# Altium PCB linux_board_PCB.PcbDoc (part 2 of 3) (continued)
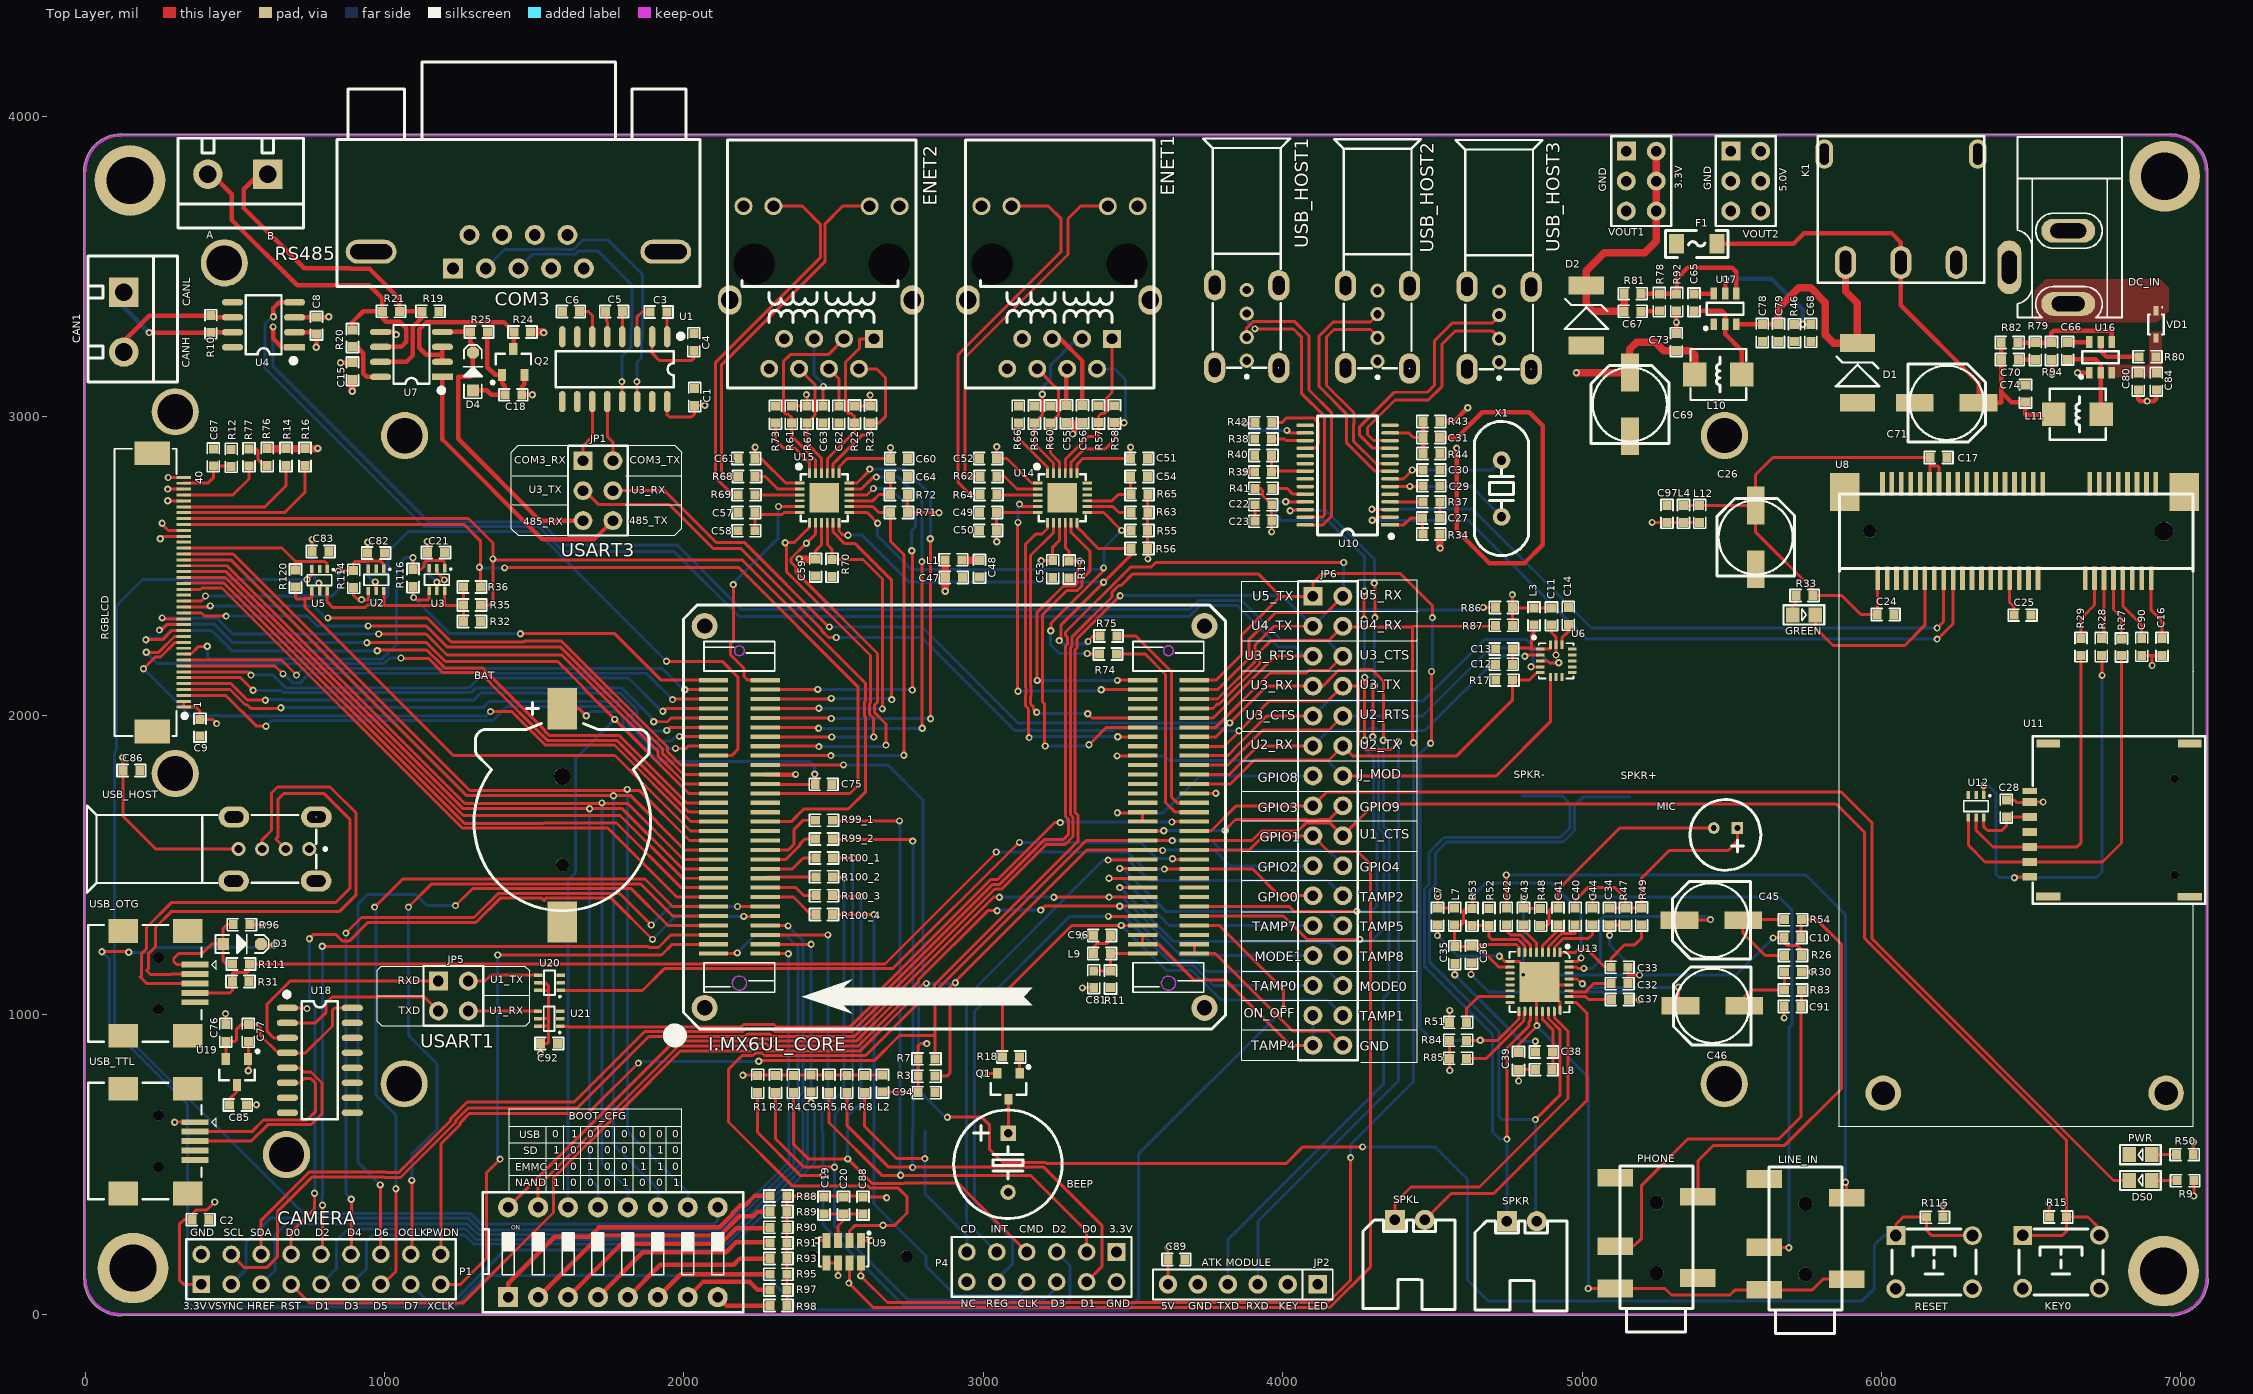
[diagram p0: Top Layer view]
## Nets (pads, with @x,y where several pads share a name; then routed paths per layer and width w, separated by ;. In a path a pad name is that pad's centre, name@x,y a point inside that pad or via, vN(x,y) a via of type N, cw(c..) or ccw(c..) an arc to the next point about the centre after c; other vN are vias at no path point) (continued)
ENET2_TXD0: I.MX6UL_CORE.J1_36 U15.17 | length 1579.2
  Top Layer w10: I.MX6UL_CORE.J1_36@2272.11,1960.21 2446.79,1960.21 v1(2450,1957) ; U15.17@2551.72,2756.53 2592.71,2756.53 2632.18,2796 v1(2643,2796) ; v1(2795,2514) 2795,1958 v1(2796,1957)
  Bottom Layer w10: v1(2450,1957) v1(2796,1957) ; v1(2643,2796) 2718,2796 2795,2719 v1(2795,2514)
ENET2_TXD1: I.MX6UL_CORE.J1_35 U15.18 | length 1633.6
  Top Layer w10: I.MX6UL_CORE.J1_35@2272.11,1991.71 2490.29,1991.71 v1(2492,1990) ; U15.18@2551.72,2776.21 2578.21,2776.21 2621,2819 v1(2621,2823) ; v1(2823,2590) 2823,1990 v1(2824,1989)
  Bottom Layer w10: v1(2492,1990) 2823,1990 v1(2824,1989) ; v1(2621,2823) 2738,2823 2823,2738 v1@2823,2587
ENET2_TXEN: I.MX6UL_CORE.J1_32 U15.16 | length 1353.1
  Top Layer w10: I.MX6UL_CORE.J1_32@2272.11,2086.2 2446.2,2086.2 v1(2447,2087) ; U15.16@2551.72,2736.84 2611.84,2736.84 v1(2633,2758) ; v1(2761,2550) 2763,2548 v1(2763,2085)
  Bottom Layer w10: v1(2447,2087) 2761,2087 v1(2763,2085) ; v1(2633,2758) 2690,2758 2774,2674 2774,2630.82 2761,2617.82 v1(2761,2550)
ENET2_TXN: ENET2.2 R23.2 U15.20 | length 519.2
  Top Layer w10: U15.20@2498.53,2809.72 2498.53,2840.53 2594,2936 2611,2936 2623.06,2948.06 R23.2@2623.06,2977.5 2652.5,2977.5 2674,2999 2674,3127 2643,3158 ENET2.2@2584.82,3158
ENET2_TXP: ENET2.1 R22.2 U15.21 | length 570.4
  Top Layer w10: U15.21@2478.84,2809.72 2478.84,2856.84 2570.25,2948.25 R22.2@2570.25,2977.5 2570.25,2997.75 2560,3008 2550.7,3008 2543.31,3015.38 2543.31,3053.12 2539.82,3056.61 2539.82,3179.82 2586,3226 2586,3255 2589,3258 ENET2.1@2634.82,3258
ENET_MDC: R55.1 R74.2 U14.13 U15.13 | length 1786.8
  Top Layer w10: U15.13@2551.72,2677.79 2612.21,2677.79 2647,2643 v1(2647,2642) ; v1(3225.38,2283) 3225.38,2307.38 3318.75,2400.75 3319.81,2400.75 3345,2425.94 3345,2427 3402,2484 v1(3402,2493) ; U14.13@3346.72,2677.79 3402.21,2677.79 v1(3461.97,2618.03) R55.1@3492.75,2618.03 ; v1(3347,2207) 3349,2205 R74.2@3388.75,2205
  Bottom Layer w10: v1(2647,2642) 2647,2600 2760,2487 3396,2487 3403,2494 3403,2559.05 v1(3461.97,2618.03) ; v1(3225.38,2283) 3224,2283 3224,2237 3254,2207 v1(3347,2207)
ENET_MDIO: R56.1 R75.2 U14.12 U15.12 | length 1767.6
  Top Layer w10: U15.12@2518.21,2644.28 2518.21,2615.79 2532,2602 v1(2548,2602) ; v1(3254,2250) 3259,2255 3259,2301 3492.75,2534.75 R56.1@3492.75,2558 3384,2558 3339,2603 ; U14.12@3313.21,2644.28 3313.21,2628.79 3322,2620 3323.18,2620 3339,2604.18 ; v1(3350,2247) 3350,2249 3366,2265 R75.2@3390.5,2265
  Bottom Layer w10: v1(2548,2602) 2596,2602 2753,2445 v1(3402,2445) ; v1(3254,2250) 3266,2238 3341,2238 v1(3350,2247)
GND: BAT.2 BEEP.2 C1.2 C2.2 C4.1 C6.1 C8.2 C9.2 C11.2 C12.1 C13.2 C14.2 C15.2 C16.1 C17.1 C18.1 C19.1 C20.1 C21.1 C24.1 C25.1 C26.2 C28.2 C29.2 C30.2 C31.2 C47.1 C48.1 C49.1 C50.1 C51.1 C52.1 C53.1 C54.1 C55.1 C56.1 C57.1 C58.1 C59.1 C60.1 C61.1 C62.1 C63.1 C64.1 C68.1 C69.2 C71.2 C73.1 C74.1 C75.2 C76.1 C77.1 C78.1 C79.1 C80.1 C82.1 C83.1 C84.1 C85.1 C86.2 C87.1 C88.2 C89.2 C90.2 C91.1 C92.1 C94.1 C95.1 C97.1 COM3.5 COM3.10 COM3.11 D1.1 D2.1 DC_IN.2 DC_IN.3 ENET1.8 ENET1.13 ENET1.14 ENET2.8 ENET2.13 ENET2.14 I.MX6UL_CORE.J2_59 I.MX6UL_CORE.J2_60 JP2.5 JP6.32 KEY0.2 P1.2 P4.2 PHONE.3 PWR.2 Q2.2 R13.1 R17.1 R19.2 R30.2 R31.1 R32.2 R40.1 R44.1 R66.1 R70.1 R73.1 R92.1 R94.1 RESET.2 RGBLCD.11 RGBLCD.20 RGBLCD.29 TF_CARD.6 U1.15 U2.2 U3.2 U4.2 U4.8 U5.2 U6.8 U6.9 U6.10 U6.11 U6.12 U6.13 U6.15 U7.5 U8.4 U8.9 U8.15 U8.18 U8.21 U8.26 U8.27 U8.29 U8.34 U8.35 U8.37 U8.40 U8.43 U8.50 U9.3 U11.C5 U12.2 U14.25 U15.25 U16.1 U17.1 U18.1 U19.1 U20.2 U21.2 USB_HOST1.4 USB_HOST1.5 USB_HOST2.4 USB_HOST2.5 USB_HOST3.4 USB_HOST3.5 USB_HOST.4 USB_HOST.5 USB_OTG.5 USB_TTL.5 VOUT1.1 VOUT1.3 VOUT1.5 VOUT2.1 VOUT2.3 VOUT2.5 | length 3743.6
  Top Layer w10: v1(469,1004) 470,1003 C76.1@470,968.25 ; C85.1@538.25,699 571,699 v1(572,700) ; v1(545,813) 546.71,814.71 546.71,850 U19.1@544.4,852.31 545,852.91 C77.1@545,911.75 ; U18.1@675.73,1023 739,1023 v1(741,1021) ; U3.2@1175,2491.4 1175,2478 v1(1200,2453) ; v1(2425,708) C95.1@2425.02,742.5 ; C19.1@2468,335 C20.1@2532.94,335 ; U9.3@2514.81,246.06 2514.81,294.81 2532.94,312.94 C20.1@2532.94,335 ; C88.2@2598,334.5 2597.5,335 C20.1@2532.94,335 ; I.MX6UL_CORE.J2_59@3705.18,1235.8 I.MX6UL_CORE.J2_60@3705.18,1204.31 3775.69,1204.31 4034,946 4153,946 JP6.32@4201,898 ; C11.2@4898,2302.75 4898,2277 4913.68,2261.31 U6.15@4913.68,2236 4913.68,2202.69 v1(4913,2202) ; v1@5674,996 5675,997 C91.1@5675,1028 ; R30.2@5732.25,1143 v1(5768,1143) ; C28.2@6417,1717.5 6443.5,1717.5 6452,1709 6494.2,1709 U11.C5@6495.94,1710.75 6539.75,1710.75 v1(6540,1711) ; C90.2@6869.47,2200.75 6904,2200.75 ; v1(6904,2167) 6904,2200.75 ; C16.1@6937,2200.75 6904,2200.75
  Top Layer w15: U4.2@699.35,3280 766.75,3280 C8.2@773,3273.75 773,3245 772,3244 v1(772,3230) ; v1(853,3178) 853.25,3178.25 C15.2@893,3178.25 ; U7.5@986.76,3280.87 1030.13,3280.87 v1(1039,3272) ; Q2.2@1467.51,3137.56 1467.51,3105.51 1458.36,3096.36 C18.1@1458.36,3070.87 1493.87,3070.87 v1(1494,3071) ; C55.1@3277.94,2978.25 3308,2978.25 ; v1(3299,2940) 3308,2949 3308,2978.25 ; C56.1@3331.25,2978.25 3308,2978.25 ; C31.2@4524.5,2928.41 4582.41,2928.41 4667,3013 4824,3013 4869,2968 4869,2570 4808,2509 4690,2509 4581,2618 v1(4581,2893) ; C73.1@5315,3275.25 v1(5315,3313) 5315,3350.75 R92.1@5316,3351.75 ; R94.1@6568,3188.75 6570,3186.75 v1(6570,3140) ; v1@6655.18,3144.82 U16.1@6694.6,3144.82 ; C80.1@6858,3086.75 6858,3057 6865,3050 v1(6887.5,3050) 6910,3050 6918,3058 C84.1@6918,3086.75
  other v1: 5675,990 6655,3145
GPIO0: I.MX6UL_CORE.J2_51 JP6.21 R31.2 R111.1 USB_OTG.4 | length 4025.6
  Top Layer w10: USB_OTG.4@367.36,1073.5 483.5,1073.5 491.5,1081.5 R31.2@491.5,1111 491.5,1137.5 496,1142 542,1142 549.25,1149.25 R111.1@549.25,1170 2672,1170 v1@3037.5,1535.5 ; v1(3605,1487) 3607,1487 3607.77,1487.77 I.MX6UL_CORE.J2_51@3705.18,1487.77 3899.23,1487.77 3989,1398 JP6.21@4101,1398
  Bottom Layer w10: v1(3043,1544) 3480.63,1544 3537.63,1487 v1(3605,1487)
GPIO3: DS0.2 I.MX6UL_CORE.J2_47 JP6.15 | length 3940.7
  Top Layer w10: I.MX6UL_CORE.J2_47@3705.18,1613.76 3760.76,1613.76 3845,1698 JP6.15@4101,1698 4147.5,1744.5 5865.5,1744.5 5969,1641 5969,1253 6775,447 DS0.2@6826.99,447
GPIO5: I.MX6UL_CORE.J1_47
GPIO6: I.MX6UL_CORE.J2_44 R75.1 | length 734.2
  Top Layer w10: R75.1@3447,2265 3510,2265 3629,2146 3629,1727 3647.76,1708.24 I.MX6UL_CORE.J2_44@3705.18,1708.24
GPIO7: I.MX6UL_CORE.J2_45 R74.1 | length 729.5
  Top Layer w10: R74.1@3445.25,2205 3541,2205 3609,2137 3609,1709 3641.25,1676.75 I.MX6UL_CORE.J2_45@3705.18,1676.75
HP_JD: PHONE.6 R52.1 R53.1 U13.7 | length 249.1
  Top Layer w10: R53.1@4632,1298.75 R52.1@4689.5,1298.75 4689.5,1260.5 4699,1251 4787.63,1251 4808.77,1229.85 U13.7@4808.77,1208.43
HUB_3V3: C22.2 C23.2 C27.2 R34.2 R41.2 R42.2 U10.1 U10.5 U10.10 U10.16 | length 603.4
  Top Layer w10: v1(3873,2976) 3905.75,2976 R42.2@3907.75,2978 ; R41.2@3907.75,2758.58 3926.17,2758.58 3933,2751.75 3933,2734.35 C22.2@3963.5,2703.85 C23.2@3963.5,2649 3963.5,2613.5 v1(3963,2613) ; v1(4014,2952) 4022.25,2943.75 U10.16@4075.27,2943.75 ; U10.1@4358.73,2636.66 4404.66,2636.66 4427.71,2659.71 C27.2@4467.5,2659.71 4467.5,2607.25 R34.2@4468.75,2606
  Bottom Layer w10: v1(3873,2976) 3897,2952 v1(4014,2952)
HUB_DM1: U10.27 USB_HOST1.2 | length 923.5
  Top Layer w10: v1(3907.07,3291.07) 3907.14,3291 4036.41,3291 4062.41,3265 4062.41,3076.59 4139.8,2999.2 4139.8,2669.8 4132.25,2662.25 U10.27@4075.27,2662.25
  Bottom Layer w10: USB_HOST1.2@3880,3342.26 3880,3318.14 v1(3907.07,3291.07)
HUB_DM2: U8.36 U10.2 | length 2341.3
  Top Layer w10: v1(4299,2652) 4303,2652 4313.25,2662.25 U10.2@4358.73,2662.25 ; v1(6186,2255) 6187.18,2255 6239.51,2307.33 U8.36@6239.51,2458
  Bottom Layer w10: v1(4299,2652) 4619,2652 5016,2255 v1(6186,2255)
HUB_DM3: U10.8 USB_HOST2.2 | length 806.1
  Top Layer w10: USB_HOST2.2@4317,3340.26 4317,3338.59 4293,3314.59 4168.9,3314.59 4121,3266.69 4121,3099.41 4212.41,3008 4212.41,2912.08 4308.69,2815.8 U10.8@4358.73,2815.8
HUB_DM4: U10.11 USB_HOST3.2 | length 857.3
  Top Layer w10: U10.11@4358.73,2892.57 4300.46,2892.57 4257.41,2935.62 4257.41,2964.69 4372.31,3079.59 4484,3079.59 4507,3102.59 4507,3251.19 4566.4,3310.59 4700,3310.59 4723,3333.59 USB_HOST3.2@4723,3337.26
HUB_DP1: U10.28 USB_HOST1.3 | length 1001.2
  Top Layer w10: USB_HOST1.3@3880,3263.52 3880,3294 3901.61,3315.61 3907.98,3315.61 3908.95,3316.59 4039.1,3316.59 4088,3267.69 4088,3087.19 4162.59,3012.6 4162.59,2664.31 4134.95,2636.66 U10.28@4075.27,2636.66
HUB_DP2: U8.38 U10.3 | length 2288.8
  Top Layer w10: v1(4298,2689) 4299.16,2687.84 U10.3@4358.73,2687.84 ; v1(6186,2292) 6208.02,2314.02 U8.38@6208.02,2458
  Bottom Layer w10: v1(4298,2689) 4634.33,2689 5031.33,2292 v1(6186,2292)
HUB_DP3: U10.9 USB_HOST2.3 | length 732.9
  Top Layer w10: USB_HOST2.3@4317,3261.52 4317,3265 4293,3289 4171.59,3289 4146.59,3264 4146.59,3102.1 4238,3010.69 4238,2973.57 4237.41,2972.98 4237.41,2915.36 4311.39,2841.39 U10.9@4358.73,2841.39
HUB_DP4: U10.12 USB_HOST3.3 | length 777
  Top Layer w10: U10.12@4358.73,2918.16 4303.16,2918.16 4283,2938.31 4283,2962 4375,3054 4486.69,3054 4532.59,3099.9 4532.59,3240.59 4577,3285 4700,3285 4723,3262 USB_HOST3.3@4723,3258.52
I2C1_SCL: I.MX6UL_CORE.J2_33 JP6.3 R86.2 U9.2 | length 5412.7
  Top Layer w10: U9.2@2553,246.06 2553,278 2572,297 v1(2665,297) 2704,297 2745,338 2745,392 2716,421 2622.37,421 2614.37,429 2362,429 2149,642 2149,818 2195,864 2230.82,864 2238.82,872 2261.18,872 2269.18,864 2607.18,864 2837,1093.82 2837,1100.82 3316,1579.82 3316,1666.44 3307,1675.44 3307,2219.56 3313,2225.56 3313,2256 v1(3457,2400) ; I.MX6UL_CORE.J2_33@3705.18,2054.7 3782.7,2054.7 3908,2180 3908,2235 3971,2298 JP6.3@4101,2298 ; v1(4670,2361) R86.2@4710.75,2361
  Bottom Layer w10: v1(3457,2400) 3999,2400 JP6.3@4101,2298 4154.5,2351.5 4294.32,2351.5 4296.82,2354 4319.18,2354 4321.68,2351.5 4486.32,2351.5 4488.82,2354 4511.18,2354 4513.68,2351.5 4660.5,2351.5 v1(4670,2361)
I2C1_SDA: I.MX6UL_CORE.J2_34 JP6.4 R87.2 U9.8 | length 5165.8
  Top Layer w10: U9.8@2591.19,171 2591.19,128.19 v1(2591,128) 2680,39 4151.37,39 4227,114.63 v1(4227,523) ; I.MX6UL_CORE.J2_34@3705.18,2023.2 3767.2,2023.2 3782.7,2038.7 3789.33,2038.7 3924,2173.37 3924,2214 3960,2250 4153,2250 JP6.4@4201,2298 4204,2295 4431,2295 4434,2298 ; v1(4437,1909) 4434,1912 4434,2298 ; R87.2@4710.75,2301 4707.75,2298 4434,2298
  Bottom Layer w10: v1(4227,523) 4227,567 4437,777 v1(4437,1909)
I2C2_SCL: I.MX6UL_CORE.J2_31 JP6.1 P1.4 R84.2 RGBLCD.38 U13.17 | length 8019.1
  Top Layer w10: v1(275.99,2755.99) RGBLCD.38@329.21,2755.99 ; P1.4@488,200 532.53,155.47 606.44,155.47 642,191.03 642,342 759,459 997.18,459 999.18,457 1053.63,457 1236.81,640.19 1236.81,646.44 1279.37,689 1644,689 1883,928 2204.31,928 2212.31,936 2287.69,936 2295.69,928 2569.25,928 2692.13,1050.87 2692.13,1073.5 3038.63,1420 3061.25,1420 3210.25,1569 3273.63,1569 3300,1595.37 3300,1659.81 3291,1668.81 3291,2226.19 3297,2232.19 3297,2262.63 3430,2395.63 3430,2411.18 3452.82,2434 3460.44,2434 3499.44,2473 3918,2473 3993,2398 ; I.MX6UL_CORE.J2_31@3705.18,2117.69 3777.69,2117.69 3862,2202 3862,2267 3993,2398 ; v1(4494,1907) 4497,1910 v1(4497,2147) ; v1(4500,2327) 4500,2367 4392,2475 4133,2475 4101,2443 JP6.1@4101,2398 3993,2398 ; R84.2@4614.25,915 v1(4660,915) 4718,915 4789.08,986.09 U13.17@4789.08,1011.57
  Bottom Layer w10: v1(4494,1907) 4458,1871 4458,957 4500,915 v1(4660,915) ; v1(4497,2147) 4500,2150 v1(4500,2327)
I2C2_SDA: I.MX6UL_CORE.J2_32 JP6.2 P1.6 R85.2 RGBLCD.36 U13.18 | length 6185.4
  Top Layer w10: v1(276,2717) 276.38,2716.62 RGBLCD.36@329.21,2716.62 ; P1.6@588,200 588,314.18 748.82,475 1003.81,475 1005.81,473 1047,473 1220.81,646.81 1220.81,653.07 1277.25,709.5 1634.5,709.5 1869,944 2197.68,944 2205.68,952 2294.32,952 2302.32,944 2562.63,944 2676.13,1057.5 2676.13,1080.13 3032,1436 3054.63,1436 3203.63,1585 3267,1585 3284,1602 3284,1653.18 3275,1662.18 3275,2232.82 3281,2238.82 3281,2261.18 3275,2267.18 3275,2278.81 3492.19,2496 3561.18,2496 3576.18,2511 v1(4204,2511) ; I.MX6UL_CORE.J2_32@3705.18,2086.2 3782.2,2086.2 3888,2192 3888,2255 3977.5,2344.5 4120.26,2344.5 4120.76,2344 4147,2344 JP6.2@4201,2398 ; R85.2@4614.25,855 4680.63,855 4806,980.37 4806,1008.8 U13.18@4808.77,1011.57
  Bottom Layer w10: JP6.2@4201,2398 4204,2401 v1(4204,2511)
JTAG_nTRST: I.MX6UL_CORE.J2_21 U13.14
JTAG_TCK: I.MX6UL_CORE.J2_19 U13.16
JTAG_TDI: I.MX6UL_CORE.J2_17 U13.12
JTAG_TDO: I.MX6UL_CORE.J2_18 U13.13
JTAG_TMS: I.MX6UL_CORE.J2_20 U13.11
KEY0: I.MX6UL_CORE.J2_48 JP6.18 KEY0.1 R15.2 | length 4275.2
  Top Layer w10: I.MX6UL_CORE.J2_48@3705.18,1582.26 3897.63,1582.26 3929.37,1614 4051.24,1614 4077.24,1640 4159,1640 JP6.18@4201,1598 4307,1704 5849,1704 5944,1609 5944,1255 6618.25,580.75 R15.2@6618.25,325 ; KEY0.1@6472.05,263.58 6604.58,263.58 6618.25,277.25 R15.2@6618.25,325 ; KEY0.1@6727.95,263.58 6727.95,287.05 6690,325 R15.2@6618.25,325
LCD_B0: I.MX6UL_CORE.J1_7 RGBLCD.21 | length 2199.9
  Top Layer w10: RGBLCD.21@329.21,2421.34 329.81,2420.75 385.56,2420.75 390.82,2426 457.49,2426 1259.76,1623.73 1745.55,1623.73 1976,1393.28 I.MX6UL_CORE.J1_7@2098.88,1393.28
LCD_B1: I.MX6UL_CORE.J1_8 RGBLCD.22 | length 2192.5
  Top Layer w10: RGBLCD.22@329.21,2441.03 330.18,2442 464.12,2442 1266.39,1639.73 1529.73,1639.73 1531,1641 1774.78,1641 1991,1424.78 I.MX6UL_CORE.J1_8@2098.88,1424.78
LCD_B2: I.MX6UL_CORE.J1_9 RGBLCD.23 | length 2185.7
  Top Layer w10: RGBLCD.23@329.21,2460.71 468.03,2460.71 1263.25,1665.5 1786.5,1665.5 1995.72,1456.28 I.MX6UL_CORE.J1_9@2098.88,1456.28
LCD_B3: BOOT_CFG.13 I.MX6UL_CORE.J1_10 RGBLCD.24 | length 3524.1
  Top Layer w10: RGBLCD.24@329.21,2480.4 470.97,2480.4 1262.72,1688.65 v1(1685,1688.65) 1794.12,1688.65 1995,1487.77 I.MX6UL_CORE.J1_10@2098.88,1487.77
  Bottom Layer w10: v1(1685,1688.65) 1685,453 1713,425 BOOT_CFG.13@1713,357
LCD_B4: BOOT_CFG.12 I.MX6UL_CORE.J1_11 RGBLCD.25 | length 3563
  Top Layer w10: RGBLCD.25@329.21,2500.08 473.92,2500.08 1268.07,1705.93 1812.33,1705.93 1999,1519.27 I.MX6UL_CORE.J1_11@2098.88,1519.27
  Bottom Layer w10: v1(1726,1708) 1726,504 1813,417 BOOT_CFG.12@1813,357
LCD_B5: BOOT_CFG.11 I.MX6UL_CORE.J1_12 RGBLCD.26 | length 3607.3
  Top Layer w10: RGBLCD.26@329.21,2519.77 486.23,2519.77 1272.91,1733.09 1820.67,1733.09 2003,1550.76 I.MX6UL_CORE.J1_12@2098.88,1550.76
  Bottom Layer w10: v1(1765,1732) 1765,566 1913,418 BOOT_CFG.11@1913,357
LCD_B6: BOOT_CFG.10 I.MX6UL_CORE.J1_13 RGBLCD.27 | length 3646.6
  Top Layer w10: RGBLCD.27@329.21,2539.45 494.55,2539.45 1284.91,1749.09 1557.09,1749.09 1558,1750 1851.26,1750 2019,1582.26 I.MX6UL_CORE.J1_13@2098.88,1582.26
  Bottom Layer w10: v1(1811,1753) 1811,610 2013,408 BOOT_CFG.10@2013,357
LCD_B7: R120.2 RGBLCD.28 U5.1 | length 542
  Top Layer w10: RGBLCD.28@329.21,2559.14 657.86,2559.14 702.82,2514.18 800.82,2514.18 808.59,2506.41 U5.1@808.59,2489.4 ; R120.2@703,2485.25 703,2509
LCD_DATA7: I.MX6UL_CORE.J1_14 R120.1 U5.4 | length 1820.2
  Top Layer w10: R120.1@703,2428.75 703,2393 707.5,2388.5 734.5,2388.5 ; U5.4@757.41,2414.6 757.41,2392 755.41,2390 733,2390 734.5,2388.5 ; I.MX6UL_CORE.J1_14@2098.88,1613.76 2022.24,1613.76 1770,1866 1230,1866 734.5,2361.5 734.5,2388.5
LCD_DATA8: I.MX6UL_CORE.J1_15 RGBLCD.12 | length 2298.6
  Top Layer w10: v1(195,2156) 234,2195 252.12,2195 301.3,2244.18 RGBLCD.12@329.21,2244.18 ; v1(1354,2013) 1424.81,2013 1536.81,1901 1768,1901 2023.75,1645.25 I.MX6UL_CORE.J1_15@2098.88,1645.25
  Bottom Layer w10: v1(195,2156) 352,1999 426.82,1999 427.82,2000 450.18,2000 451.18,1999 1340,1999 v1(1354,2013)
LCD_DATA9: I.MX6UL_CORE.J1_16 RGBLCD.13 | length 2280.6
  Top Layer w10: v1(204,2211) 245.49,2211 298.35,2263.86 RGBLCD.13@329.21,2263.86 ; v1(1055,2192) 1056,2191 1146.75,2191 1194.75,2143 1320.18,2143 1354,2109.18 1354,2106.44 1543.44,1917 1776,1917 2016.25,1676.75 I.MX6UL_CORE.J1_16@2098.88,1676.75
  Bottom Layer w10: v1(204,2211) 242,2173 998.63,2173 1017.63,2192 v1(1055,2192)
LCD_DATA10: I.MX6UL_CORE.J1_17 RGBLCD.14 | length 2289.3
  Top Layer w10: v1(203,2253) 259,2253 289.55,2283.55 RGBLCD.14@329.21,2283.55 ; v1(976,2216) 979,2219 1141.37,2219 1201.37,2159 1326.81,2159 1533.79,1952.02 1533.79,1949.28 1550.07,1933 1784,1933 2008.76,1708.24 I.MX6UL_CORE.J1_17@2098.88,1708.24
  Bottom Layer w10: v1(203,2253) 208,2258 259.18,2258 284.18,2283 424,2283 491,2216 v1(976,2216)
LCD_DATA11: BOOT_CFG.14 I.MX6UL_CORE.J1_18 RGBLCD.15 | length 3878.9
  Top Layer w10: v1(248,2285) 254.18,2285 272.42,2303.23 RGBLCD.15@329.21,2303.23 ; v1(941,2243) 1140,2243 1203,2180 1578.37,2180 1665,2093.37 1665,2090.93 v1(1769,1986.93) 2016.19,1739.74 I.MX6UL_CORE.J1_18@2098.88,1739.74
  Bottom Layer w10: v1(248,2285) 262,2299 268.18,2299 275.18,2306 430,2306 493,2243 v1(941,2243) ; BOOT_CFG.14@1613,357 1613,1450.51 1637.54,1475.05 1637.54,1855.48 v1(1769,1986.93)
LCD_DATA12: I.MX6UL_CORE.J1_19 RGBLCD.16 | length 2154.3
  Top Layer w10: v1(257,2326) 260.08,2322.92 RGBLCD.16@329.21,2322.92 ; v1(981,2272) 1139,2272 1209,2202 1592.12,2202 1913,1881.12 1913,1865.56 2007.33,1771.24 I.MX6UL_CORE.J1_19@2098.88,1771.24
  Bottom Layer w10: v1(257,2326) 438.82,2326 492.82,2272 v1(981,2272)
LCD_DATA13: I.MX6UL_CORE.J1_20 RGBLCD.17 | length 2002.4
  Top Layer w10: RGBLCD.17@329.21,2342.6 388.4,2342.6 399,2332 v1(471,2332) ; v1(945,2299) 1139,2299 1210,2228 1588.75,2228 1929,1887.75 1929,1872.19 1998.46,1802.73 I.MX6UL_CORE.J1_20@2098.88,1802.73
  Bottom Layer w10: v1(471,2332) 742,2332 775,2299 v1(945,2299)
LCD_DATA14: I.MX6UL_CORE.J1_21 RGBLCD.18 | length 2004.2
  Top Layer w10: RGBLCD.18@329.21,2362.29 416.29,2362.29 418,2364 v1(418,2366) ; v1(811,2326) 1142,2326 1222,2246 1465.18,2246 1468.18,2249 1590.37,2249 1945,1894.37 1945,1878.82 1989.59,1834.23 I.MX6UL_CORE.J1_21@2098.88,1834.23
  Bottom Layer w10: v1(418,2366) 763,2366 803,2326 v1(811,2326)
LCD_DATA15: I.MX6UL_CORE.J1_22 R114.1 U2.4 | length 2083.8
  Top Layer w10: R114.1@897,2428 897,2401 913,2385 943,2385 946.41,2388.41 U2.4@946.41,2415.6 ; v1(1942,2181) 2128,2181 2181,2128 2181,1887 2159.72,1865.72 I.MX6UL_CORE.J1_22@2098.88,1865.72
  Bottom Layer w10: v1(923,2387) 999,2387 1012,2400 1012,2547 1080,2615 1508,2615 v1(1942,2181)
LCD_DATA15S: R114.2 RGBLCD.19 U2.1 | length 796.2
  Top Layer w10: RGBLCD.19@329.21,2381.97 387.97,2381.97 402,2396 v1(402,2399) ; v1(846,2483) 847.5,2484.5 R114.2@897,2484.5 897,2510 902,2515 935.77,2515 935.95,2515.18 987.82,2515.18 997.59,2505.41 U2.1@997.59,2490.4
  Bottom Layer w10: v1(402,2399) 825,2399 846,2420 v1(846,2483)
LCD_DATA16: I.MX6UL_CORE.J1_23 RGBLCD.3 | length 1919.6
  Top Layer w10: RGBLCD.3@329.21,2067.01 469.99,2067.01 573,1964 v1(604,1964) ; v1(1972,1890) 2007,1890 2014.22,1897.22 I.MX6UL_CORE.J1_23@2098.88,1897.22
  Bottom Layer w10: v1(604,1964) 623,1983 1362.18,1983 1409.12,2029.93 1786.81,2029.93 1812,2004.75 1812,1972.37 1894.37,1890 v1(1972,1890)
LCD_DATA17: I.MX6UL_CORE.J1_24 RGBLCD.4 | length 1884.7
  Top Layer w10: RGBLCD.4@329.21,2086.7 483.67,2086.7 535.37,2035 542,2035 553,2024 652,2024 v1(654,2026) ; v1(1985,1930) 2097.6,1930 I.MX6UL_CORE.J1_24@2098.88,1928.72
  Bottom Layer w10: v1(654,2026) 1328.82,2026 1348.75,2045.93 1793.44,2045.93 1828,2011.37 1828,1979 1892,1915 1958.82,1915 1973.82,1930 v1(1985,1930)
LCD_DATA18: I.MX6UL_CORE.J1_25 RGBLCD.5 | length 1876.5
  Top Layer w10: RGBLCD.5@329.21,2106.38 486.62,2106.38 542,2051 v1(602,2051) ; v1(1943,1950) 1953.21,1960.21 I.MX6UL_CORE.J1_25@2098.88,1960.21
  Bottom Layer w10: v1(602,2051) 604,2053 665.18,2053 667.18,2051 1297.82,2051 1321.82,2075 1787,2075 1844,2018 1844,1993 1889,1948 1941,1948 v1(1943,1950)
LCD_DATA19: I.MX6UL_CORE.J1_26 RGBLCD.6 | length 1852.2
  Top Layer w10: RGBLCD.6@329.21,2126.07 518.93,2126.07 v1(561,2084) ; v1(1899,1979) 1945,1979 1957.71,1991.71 I.MX6UL_CORE.J1_26@2098.88,1991.71
  Bottom Layer w10: v1(561,2084) 655.19,2084 663.19,2076 1289.44,2076 1304.44,2091 1793.63,2091 1899,1985.63 v1(1899,1979)
LCD_DATA20: I.MX6UL_CORE.J1_27 RGBLCD.7 | length 1855.4
  Top Layer w10: RGBLCD.7@329.21,2145.75 543.25,2145.75 v1(554,2135) ; v1(1930,2014) 1939.2,2023.2 I.MX6UL_CORE.J1_27@2098.88,2023.2
  Bottom Layer w10: v1(554,2135) 626.82,2135 669.82,2092 1282.82,2092 1315.82,2125 1815,2125 1926,2014 v1(1930,2014)
LCD_DATA21: I.MX6UL_CORE.J1_28 RGBLCD.8 | length 1844.3
  Top Layer w10: RGBLCD.8@329.21,2165.44 634.56,2165.44 v1(661,2139) ; v1(1962,2053) 1963.7,2054.7 I.MX6UL_CORE.J1_28@2098.88,2054.7
  Bottom Layer w10: v1(661,2139) 663.82,2139 694.82,2108 717.18,2108 750.18,2141 1874,2141 v1(1962,2053)
LCD_DATA22: I.MX6UL_CORE.J1_29 RGBLCD.9 | length 1829
  Top Layer w10: RGBLCD.9@329.21,2185.12 655.88,2185.12 v1(706,2135) ; v1(2003,2086) 2098.68,2086 I.MX6UL_CORE.J1_29@2098.88,2086.2
  Bottom Layer w10: v1(706,2135) 728,2157 1927.82,2157 1998.82,2086 v1(2003,2086)
LCD_DATA23: I.MX6UL_CORE.J1_30 R116.1 U3.4 | length 1220.3
  Top Layer w10: v1@1095,2397 R116.1@1095,2430.75 ; 1107,2385 1143,2385 1149.41,2391.41 U3.4@1149.41,2416.6 ; v1(1454,2273) 1769,2273 1924.31,2117.69 I.MX6UL_CORE.J1_30@2098.88,2117.69
  Bottom Layer w10: v1(1097,2394) 1218,2273 v1(1454,2273)
LCD_DATA23S: R116.2 RGBLCD.10 U3.1 | length 1293
  Top Layer w10: RGBLCD.10@331.02,2205 353.82,2205 379.82,2231 v1(408,2231) ; v1(1095,2527) R116.2@1095,2487.25 1121.75,2487.25 1132.5,2498 1132.5,2509.74 1139.77,2517 1195,2517 1200.59,2511.41 U3.1@1200.59,2491.4
  Bottom Layer w10: v1(408,2231) 408,2195 414,2189 992,2189 1040,2237 1040,2498 1069,2527 v1(1095,2527)
LCD_DE: I.MX6UL_CORE.J1_46 R35.2 RGBLCD.33 | length 3466
  Top Layer w10: RGBLCD.33@329.21,2657.56 1280.44,2657.56 1362,2576 v1(1362,2523) ; R35.2@1320,2369 1349,2369 1362,2382 v1(1362,2523) ; I.MX6UL_CORE.J1_46@2272.11,1645.25 2358.25,1645.25 2401,1688 2550,1688 2607,1745 2607,1994.56 2604,1997.56 2604,2046.44 2607,2049.44 2607,2107 2194,2520 1365,2520 v1(1362,2523)
LCD_HSYNC: I.MX6UL_CORE.J1_44 RGBLCD.31 | length 84.2
  Top Layer w10: v1(257,2642) 257,2638.39 277.19,2618.19 RGBLCD.31@329.21,2618.19
LCD_PCLK: I.MX6UL_CORE.J1_45
LCD_PLCK: RGBLCD.30 | length 81.7
  Top Layer w10: v1(251,2590) 259.51,2598.51 RGBLCD.30@329.21,2598.51
LCD_VSYNC: I.MX6UL_CORE.J1_43 R36.2 RGBLCD.32 | length 3248
  Top Layer w10: RGBLCD.32@329.21,2637.88 1266.12,2637.88 1320,2584 R36.2@1320,2429 ; v1(1401,2493) 1402,2494 2183,2494 2581,2096 2581,1766 2554.74,1739.74 I.MX6UL_CORE.J1_43@2272.11,1739.74
  Bottom Layer w10: v1(1317,2495) 1320,2495 1322,2493 v1(1401,2493)
LINE_INL: C42.2 LINE_IN.2 | length 2245.5
  Top Layer w10: C42.2@4747,1356.5 v1(4747,1467) ; v1(5880,441) 5883.8,437.2 LINE_IN.2@5883.8,388.68
  Bottom Layer w10: v1(4747,1467) 5747,1467 5880,1334 v1(5880,441)
LINE_INR: C44.2 LINE_IN.5 | length 1936.8
  Top Layer w10: C44.2@5034.5,1356.5 5034.5,1392.5 v1(5035,1393) ; LINE_IN.5@5608.2,223.33 5689.67,223.33 v1(5691,222)
  Bottom Layer w10: v1(5035,1393) 5658,1393 5702,1349 5702,967.82 5691,956.82 v1(5691,222)
MAIN_MIC2N: C41.2 MIC.2 R48.1 | length 773.6
  Top Layer w10: R48.1@4862,1298.75 4883.75,1298.75 4890,1305 4890,1348 4898.5,1356.5 C41.2@4919.5,1356.5 4919.5,1417.5 5126,1624 MIC.2@5440,1624
MAIN_MIC2P: C34.1 C40.2 MIC.1 R47.1 R49.2 | length 882.4
  Top Layer w10: C40.2@4977,1356.5 4977,1382 5021,1426 5108,1426 5145,1389 R47.1@5145,1356.25 ; C34.1@5092,1356.25 R47.1@5145,1356.25 ; MIC.1@5518.74,1624 5518.74,1579.74 5488,1549 5291,1549 5199,1457 R49.2@5199,1356.25 R47.1@5145,1356.25
NetBEEP_1: BEEP.1 Q1.3 | length 113.7
  Top Layer w10: BEEP.1@3083,604.43 3084,605.43 Q1.3@3084,717.69
NetBOOT_CFG_1: BOOT_CFG.1 R88.2 | length 1043.3
  Top Layer w15: BOOT_CFG.1@1413,57 1413,103 1569,259 1685.3,259 1716.3,290 2118.07,290 2163.96,335.89 2163.96,338.66 2189.02,363.71 2204.71,363.71 2236,395 R88.2@2287.75,395
NetBOOT_CFG_2: BOOT_CFG.2 R89.2 | length 893.1
  Top Layer w15: BOOT_CFG.2@1513,57 1719,263 2120.77,263 2184.96,327.19 2230.19,327.19 2245.71,342.71 R89.2@2287.75,342.71